# Altium PCB ESP8266-Deskop_Power.PcbDoc (part 2 of 2)
Units mm, origin at the board's own origin, x right, y up, seen from the top; angles counter-clockwise.
Board outline 44 x 44 mm, 2 copper layers (Top Layer, Bottom Layer), stack 0.57 mm thick; 64 components, 54 nets, 245 pads, 79 vias.
Unrouted connection lines stored in the file: 25.
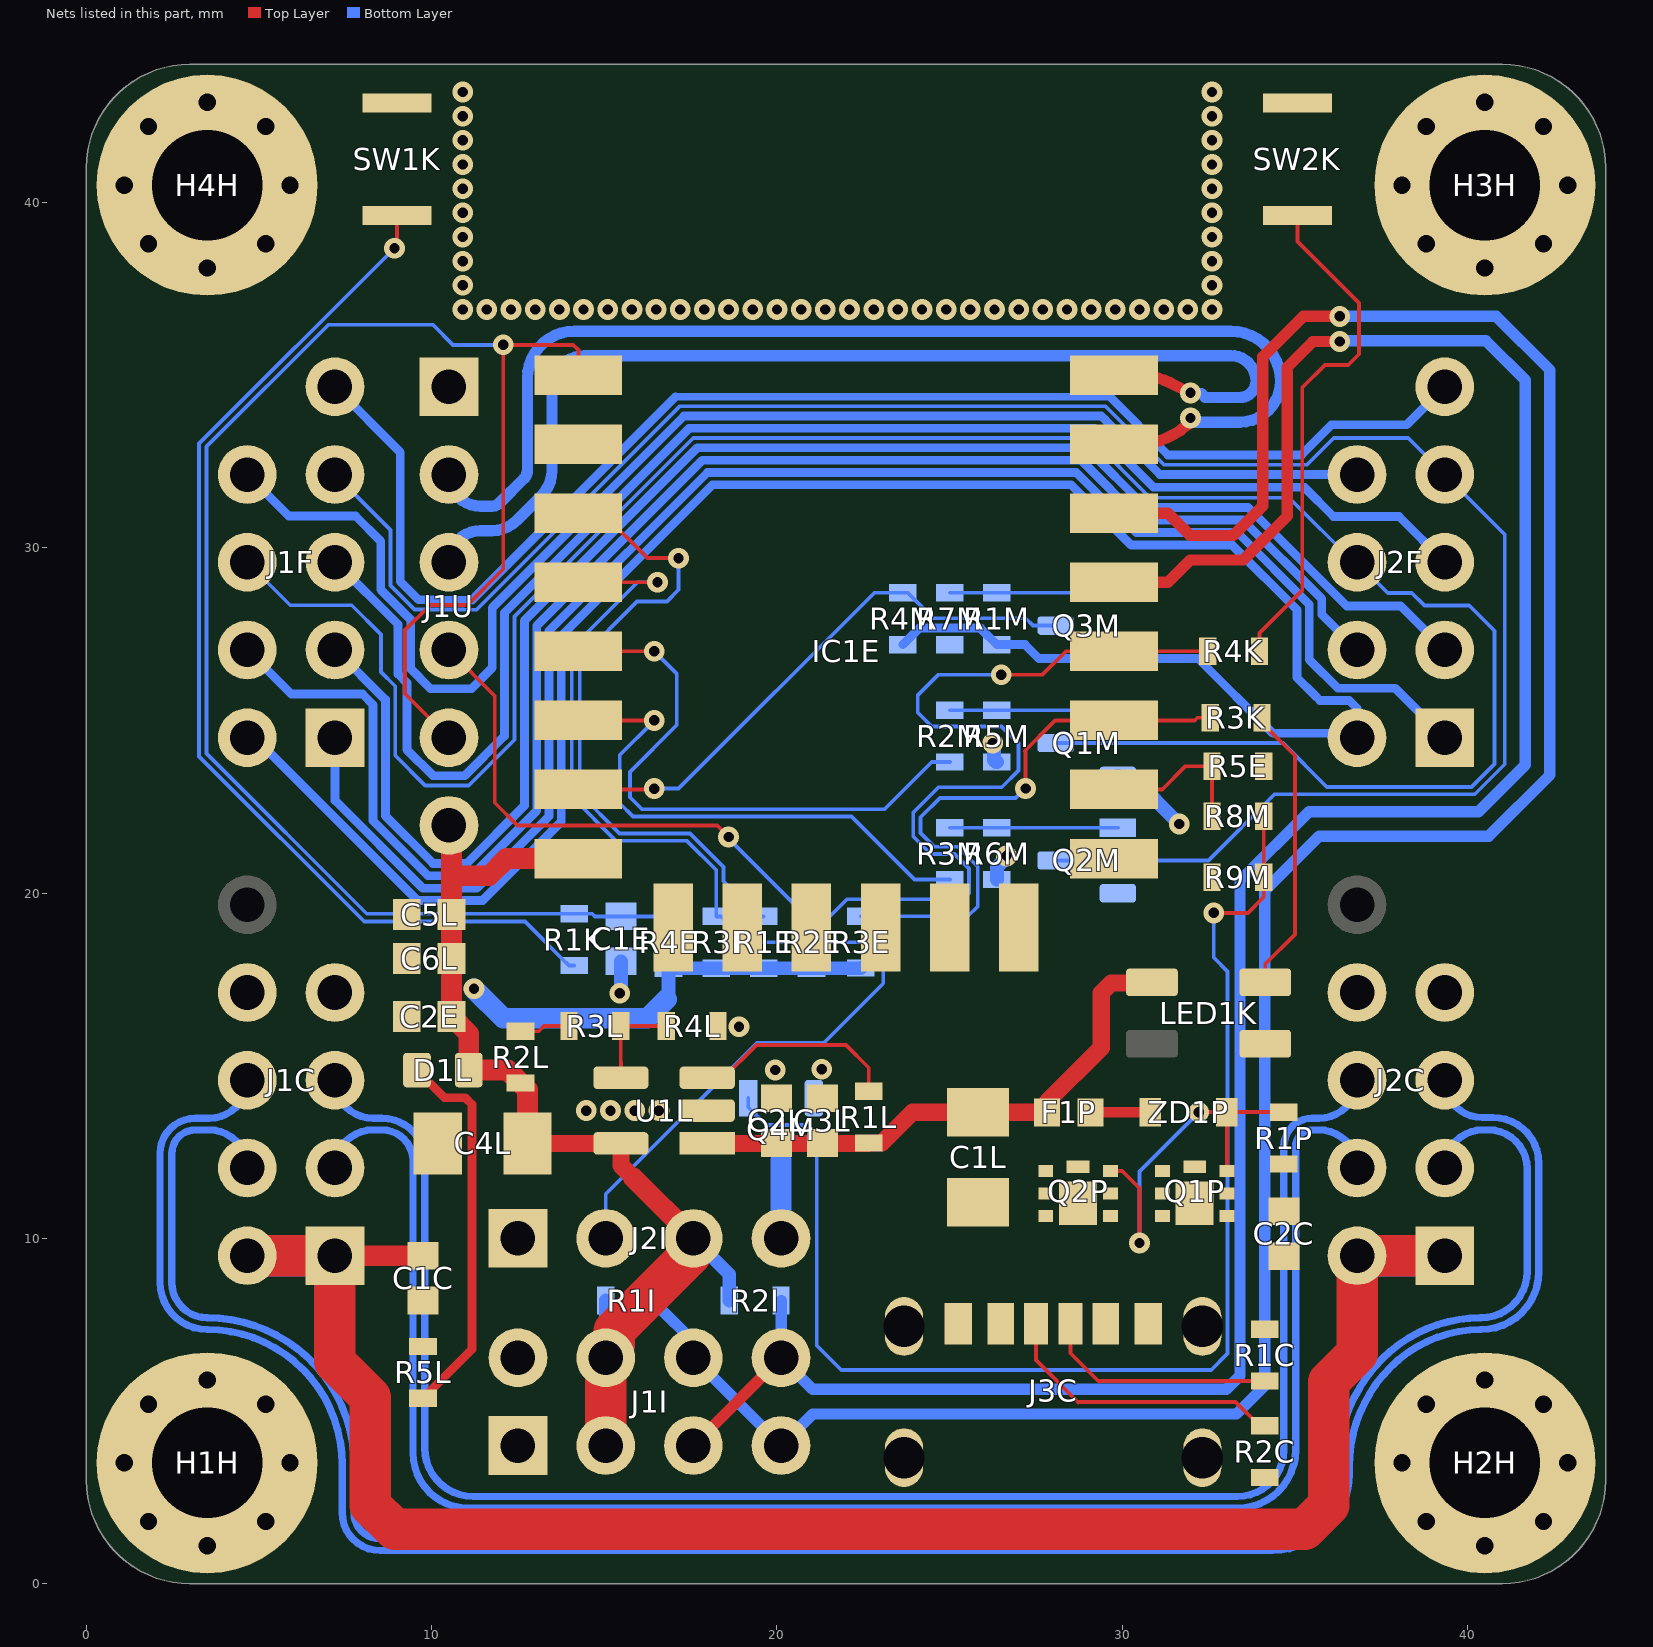
[diagram p2: the nets of this part, all layers, seen from the top]

## Part data (continued)
R1M R2M R3K R3M R8M: library part 100R, "SMD Chip Resistor, 100 Ohm, ± 1%, 100 mW, 0603 [1608 Metric], Thick Film, General Purpose", Case Code (Imperial)=0603, Case Code (Metric)=1608, MANUFACTURER=Yageo, Max Operating Temperature=155°C, Max Power Dissipation=100mW, Min Operating Temperature=-55°C, Ratings=AEC-Q200, Supplier Part Number 1=2026405, Temperature Coefficient=100ppm/°C, Tolerance=1%, Voltage Rating=50V, Case/Package=0603, CATEGORY="Chip SMD Resistors", componentlink1description=https://datasheet.ciiva.com/12576/pyu-ac-51-rohs-l-2-12576586.pdf?src-supplier=Mouser, componentlink1url=https://datasheet.ciiva.com/12576/pyu-ac-51-rohs-l-2-12576586.pdf?src-supplier=Mouser, Contact Plating=Tin,Matte, Features="Moisture Resistant,Automotive AEC-Q200", Height=0.45mm, Lead Free=5697LeadFree, Length=1.6mm, Manufacturer Part Number=AC0603FR-07100RL, Number of Terminations=2, packaging="Tape and Reel", Power Rating=100mW, Pricing 1="5000=0.0027, 50000=0.0025, 150000=0.0024, 375000=0.0023, 1000000=0.0022 (USD)", RoHS=Yes, RoHS Compliant=Yes, SERIES=AC, Stock 1=1675000, Supplier 1="Future Electronics", Termination=SMD/SMT, Weight=7.1E-05oz, Width=0.8mm
R1P: library part 100K, "SMD Chip Resistor, 100 kOhm, ± 1%, 100 mW, 0603 [1608 Metric], Thick Film, General Purpose", Case Code (Imperial)=0603, Case Code (Metric)=1608, MANUFACTURER=Yageo, Max Operating Temperature=155°C, Max Power Dissipation=100mW, Min Operating Temperature=-55°C, Ratings=AEC-Q200, Supplier Part Number 1=6029288, Temperature Coefficient=100ppm/°C, Tolerance=1%, Voltage Rating=50V, Working Voltage=75V, Case/Package=0603, CATEGORY="Chip SMD Resistors", componentlink1description=https://datasheet.ciiva.com/26862/getdatasheetpartid-715379-26862460.pdf?src-supplier=Verical, componentlink1url=https://datasheet.ciiva.com/26862/getdatasheetpartid-715379-26862460.pdf?src-supplier=Verical, componentlink2description=https://datasheet.ciiva.com/5562/pyu-ac-51-rohs-l-2-5562536.pdf?src-supplier=Mouser, componentlink2url=https://datasheet.ciiva.com/5562/pyu-ac-51-rohs-l-2-5562536.pdf?src-supplier=Mouser, Construction=Rectangular, Depth=0.8mm, Features="Moisture Resistant,Automotive AEC-Q200", Lead Free=5697LeadFree, Length=1.6mm, Manufacturer Part Number=AC0603FR-07100KL, Military Standard=Not, Moisture Sensitivity Level=1, Number of Terminations=2, packaging="Tape and Reel", Power Rating=100mW, Pricing 1="5000=0.0034, 25000=0.0018, 75000=0.0032, 125000=0.0017, 250000=0.0031, 750000=0.003, 2500000=0.0027 (USD)", RoHS=Yes, RoHS Compliant=Yes, SERIES=AC, Stock 1=3790000, Supplier 1="Future Electronics", Technology="THICK FILM", Termination=SMD/SMT
R2L: library part 1.69K, "Surface Mount Thick Film Chip Resistor 0603 Case 1.69K Ohms 1% Tolerance 100 PPM", Case Code (Imperial)=0603, Case Code (Metric)=1608, MANUFACTURER=Rohm, Max Operating Temperature=155°C, Max Power Dissipation=100mW, Min Operating Temperature=-55°C, Package Quantity=1, Temperature Coefficient=100ppm/°C, Tolerance=1%, Voltage Rating (DC)=50V, Case/Package=0603, CATEGORY="Chip SMD Resistors", componentlink1description=http://rohmfs.rohm.com/en/products/databook/datasheet/passive/resistor/chip_resistor/mcr.pdf?src-supplier=Avnet, componentlink1url=http://rohmfs.rohm.com/en/products/databook/datasheet/passive/resistor/chip_resistor/mcr.pdf?src-supplier=Avnet, componentlink2description=http://www.rohm.com/web/global/datasheet/MCR03EZPFX/mcr-e?src-supplier=Digikey, componentlink2url=http://www.rohm.com/web/global/datasheet/MCR03EZPFX/mcr-e?src-supplier=Digikey, Features="Automotive AEC-Q200", Height=0.022inch, Lead Free="Lead Free", Length=0.063inch, Manufacturer Part Number=MCR03EZPFX1691, Mounting Technology="Surface Mount", Number of Terminations=2, packaging="Cut Tape", Power Rating=100mW, Pricing 1="1=0.0232, 217=0.0145, 1380=0.0087, 5748=0.0044 (USD)", RoHS=Yes, RoHS Compliant=Yes, SERIES=MCR03, Stock 1=11347, Supplier 1=Quest, Supplier Part Number 1=MCR03EZPFX1691, Width=0.031inch
R3I: library part 4.7K, "SMD Chip Resistor, 4.7 kOhm, ± 1%, 100 mW, 0603 [1608 Metric], Thick Film, General Purpose", Case Code (Imperial)=0603, Case Code (Metric)=1608, MANUFACTURER=Yageo, Max Operating Temperature=155°C, Max Power Dissipation=100mW, Min Operating Temperature=-55°C, Ratings=AEC-Q200, Supplier Part Number 1=2029294, Temperature Coefficient=100ppm/°C, Tolerance=1%, Voltage Rating=50V, Case/Package=0603, CATEGORY="Chip SMD Resistors", componentlink1description=https://datasheet.octopart.com/AC0603FR-074K7L-Yageo-datasheet-166720450.pdf?src-supplier=Future+Electronics, componentlink1url=https://datasheet.octopart.com/AC0603FR-074K7L-Yageo-datasheet-166720450.pdf?src-supplier=Future+Electronics, componentlink2description=http://www.yageo.com/NewPortal/yageodocoutput?fileName=/pdf/R-Chip/PYu-AC_51_RoHS_L_6.pdf&src-supplier=Mouser, componentlink2url=http://www.yageo.com/NewPortal/yageodocoutput?fileName=/pdf/R-Chip/PYu-AC_51_RoHS_L_6.pdf&src-supplier=Mouser, ComponentLink3Description=http://www.yageo.com/documents/recent/PYu-AC_51_RoHS_L_2_revised.pdf?src-supplier=Future+Electronics, ComponentLink3URL=http://www.yageo.com/documents/recent/PYu-AC_51_RoHS_L_2_revised.pdf?src-supplier=Future+Electronics, ComponentLink4Description=http://www.yageo.com/NewPortal/yageodocoutput?fileName=/pdf/R-Chip/PYu-AC_51_RoHS_L_6.pdf&src-supplier=TTI, ComponentLink4URL=http://www.yageo.com/NewPortal/yageodocoutput?fileName=/pdf/R-Chip/PYu-AC_51_RoHS_L_6.pdf&src-supplier=TTI, Features="Moisture Resistant,Automotive AEC-Q200", Lead Free="Lead Free", Manufacturer Part Number=AC0603FR-074K7L, Number of Terminations=2, packaging="Tape and Reel", Power Rating=100mW, Pricing 1="5000=0.0033, 25000=0.0031, 125000=0.0029, 250000=0.0028, 750000=0.0026 (USD)", RoHS=Yes, RoHS Compliant=Yes, SERIES=AC, Stock 1=3030000, Supplier 1="Future Electronics", Termination=SMD/SMT
R3L: library part 33K, "Res Thick Film 0603 33K Ohm 1% 0.1W(1/10W) ±100ppm/C Pad SMD Automotive T/R", Case Code (Imperial)=0603, Case Code (Metric)=1608, MANUFACTURER=Panasonic, Max Operating Temperature=155°C, Max Power Dissipation=100mW, Min Operating Temperature=-55°C, Package Quantity=1, Resistance Tolerance=1%, Resistor Type="Thick Film", Supplier Part Number 1=ERJ3EKF3302V, Temperature Coefficient=100ppm/°C, Voltage Rating=75V, Case/Package=0603, CATEGORY="Chip SMD Resistors", Construction=Rectangular, Contact Plating=Tin, Depth=0.8mm, Features="Automotive AEC-Q200", Height=0.022inch, Lead Free=5697LeadFree, Length=1.6mm, Manufacturer Part Number=ERJ-3EKF3302V, Military Standard=Not, Mounting Technology="Surface Mount", Number of Terminations=2, packaging="Tape and Reel", Pins=2, Power Rating=100mW, Pricing 1="5000=0.0041, 10000=0.0039, 20000=0.0037, 40000=0.0036, 50000=0.0035 (USD)", Radiation Hardening=No, Reach SVHC Compliant=No, RoHS=Yes, RoHS Compliant=Yes, SERIES=ERJ, Stock 1=350000, Supplier 1=Onlinecomponents.com, Termination=SMD/SMT, Tolerance=1%, Voltage Rating (DC)=75V, Width=0.8mm
R4L: library part 20K, "SMD Chip Resistor, 20 kOhm, ± 1%, 100 mW, 0603 [1608 Metric], Thick Film, General Purpose", Case Code (Imperial)=0603, Case Code (Metric)=1608, MANUFACTURER=Bourns, Max Operating Temperature=155°C, Max Power Dissipation=100mW, Min Operating Temperature=-55°C, Package Quantity=1, Resistance Tolerance=1%, Resistor Type="Thick Film", Temperature Coefficient=100ppm/°C, Voltage Rating=50V, Case/Package=0603, CATEGORY="Chip SMD Resistors", componentlink1description=https://datasheet.ciiva.com/11809/0900766b80fcdb72-11809666.pdf?src-supplier=Rs, componentlink1url=https://datasheet.ciiva.com/11809/0900766b80fcdb72-11809666.pdf?src-supplier=Rs, componentlink2description=https://datasheet.ciiva.com/9121/chpreztr-9121928.pdf?src-supplier=Avnet, componentlink2url=https://datasheet.ciiva.com/9121/chpreztr-9121928.pdf?src-supplier=Avnet, Contact Plating=Tin, Depth=0.8mm, Features="Moisture Resistant", Height=0.45mm, Length=1.6mm, Manufacturer Part Number=CR0603-FX-2002ELF, Mounting Technology="Surface Mount", Number of Terminations=2, packaging="Tape and Reel", Power Rating=100mW, Pricing 1="20000=0.0014, 40000=0.0013, 80000=0.0013, 160000=0.0012 (USD)", Radiation Hardening=No, Reach SVHC Compliant=No, RoHS=Yes, RoHS Compliant=Yes, SERIES=CR0603, Stock 1=20000, Supplier 1=Onlinecomponents.com, Supplier Part Number 1=CR0603-FX-2002ELF, Technology="THICK FILM", Termination=SMD/SMT, Thickness=457um, Tolerance=1%, Voltage Rating (DC)=50V, Width=0.8mm
R5L: library part 2.49K, "Res Thick Film 0603 2.49K Ohm 1% 1/10W ±100ppm/°C Molded SMD SMD Paper T/R", Case Code (Imperial)=0603, Case Code (Metric)=1608, MANUFACTURER=Rohm, Max Operating Temperature=155°C, Max Power Dissipation=100mW, Min Operating Temperature=-55°C, Package Quantity=1, Supplier Part Number 1=53268691, Temperature Coefficient=100ppm/°C, Tolerance=1%, Voltage Rating (DC)=50V, Case/Package=0603, CATEGORY="Chip SMD Resistors", componentlink1description=https://datasheet.ciiva.com/2520/mcr-2520347.pdf?src-supplier=Digikey, componentlink1url=https://datasheet.ciiva.com/2520/mcr-2520347.pdf?src-supplier=Digikey, componentlink2description=https://datasheet.ciiva.com/2520/mcr-2520348.pdf?src-supplier=Digikey, componentlink2url=https://datasheet.ciiva.com/2520/mcr-2520348.pdf?src-supplier=Digikey, ComponentLink3Description=https://datasheet.ciiva.com/2520/mcr-2520349.pdf?src-supplier=Digikey, ComponentLink3URL=https://datasheet.ciiva.com/2520/mcr-2520349.pdf?src-supplier=Digikey, ComponentLink4Description=https://datasheet.ciiva.com/16203/mcr03ezpd-16203167.pdf?src-supplier=Future+Electronics, ComponentLink4URL=https://datasheet.ciiva.com/16203/mcr03ezpd-16203167.pdf?src-supplier=Future+Electronics, Contact Plating=Tin, Features="Automotive AEC-Q200", Height=0.022inch, Lead Free="Lead Free", Length=0.063inch, Manufacturer Part Number=MCR03EZPFX2491, Mounting Technology="Surface Mount", Number of Terminations=2, packaging="Cut Tape", Power Rating=100mW, Pricing 1="1=0.036, 10=0.031, 100=0.031, 1000=0.028 (USD)", RoHS=Yes, RoHS Compliant=Yes, SERIES=MCR03, Stock 1=683, Supplier 1="One Stop Electro", Width=0.031inch
SW1K SW2K: "3.0MM X 2.0MM / 3.3N / 0.15MM ST", Contact Rating @ Voltage="0.02A @ 15VDC", MANUFACTURER="Panasonic Electronic Components", Operating Force=330gf, Operating Temperature="-40°C ~ 85°C", Supplier Part Number 1=P123440CT-ND, Actuator Height off PCB, Vertical=0.60mm, Actuator Orientation="Top Actuated", Actuator Type=Standard, Circuit=SPST-NO, componentlink1description=Datasheet, componentlink1url=https://industrial.panasonic.com/ac/cdn/e/control/switch/light-touch/catalog/sw_lt_eng_3020s.pdf, componentlink2description="DigiKey Link", componentlink2url=https://www.digikey.com/en/products/detail/panasonic-electronic-components/EVP-AWED4A/8568275, Illumination=Non-Illuminated, Ingress Protection="IP67 - Dust Tight, Waterproof", lastupdated="03-06-2024 20:19:31", Lifecycle Status=Active, Minimum Order=1, Mounting Type="Surface Mount", Outline="3.00mm x 2.00mm", packaging=TapeAndReel, Part Number=EVP-AWED4A, Part Status=Active, price=0.16, SERIES=EVPAW, Supplier 1=DigiKey, Switch Function=Off-Mom, Termination Style="SMD (SMT) Tab"
U1L: "LDO U-Reg Adj 0, 3A SOT23-5", MANUFACTURER="SG Micro", Supplier Part Number 1=SGM2019-ADJYN5GTR-112944978, CATEGORY=LDO, Manufacturer Part Number=SGM2019-ADJYN5G/TR, RoHS=No, Stock 1=6915, Supplier 1=Sourcengine
ZD1P: "MM3Z12VST1G Zener Diode, 12V 2% 200 mW SMT 2-Pin SOD-323", Case/Package=SOD-323-2, Forward Voltage=900mV, MANUFACTURER="ON Semiconductor", Max Operating Temperature=150°C, Max Power Dissipation=300mW, Max Reverse Current=100nA, Min Operating Temperature=-65°C, Package Quantity=3000, Power Dissipation=200mW, Test Current=5mA, Tolerance=2%, Voltage Rating (DC)=12V, Zener Current=10mA, CATEGORY="Zener Diodes", componentlink1description=https://datasheet.ciiva.com/30478/0900766b8127c8bd-30478408.pdf?src-supplier=Rs, componentlink1url=https://datasheet.ciiva.com/30478/0900766b8127c8bd-30478408.pdf?src-supplier=Rs, componentlink2description=https://datasheet.ciiva.com/16292/mm3z12vst1g-16292931.pdf?src-supplier=Future+Electronics, componentlink2url=https://datasheet.ciiva.com/16292/mm3z12vst1g-16292931.pdf?src-supplier=Future+Electronics, ComponentLink3Description=https://datasheet.ciiva.com/22626/1878251-22626885.pdf?src-supplier=Element14, ComponentLink3URL=https://datasheet.ciiva.com/22626/1878251-22626885.pdf?src-supplier=Element14, ComponentLink4Description=https://datasheet.ciiva.com/894/mm3z2v4st1-d-894650.pdf?src-supplier=Digikey, ComponentLink4URL=https://datasheet.ciiva.com/894/mm3z2v4st1-d-894650.pdf?src-supplier=Digikey, ComponentLink5Description=https://datasheet.ciiva.com/894/mm3z2v4st1-d-894651.pdf?src-supplier=Digikey, ComponentLink5URL=https://datasheet.ciiva.com/894/mm3z2v4st1-d-894651.pdf?src-supplier=Digikey, ComponentLink6Description=https://datasheet.ciiva.com/894/mm3z2v4st1-d-894649.pdf?src-supplier=Digikey, ComponentLink6URL=https://datasheet.ciiva.com/894/mm3z2v4st1-d-894649.pdf?src-supplier=Digikey, Height=1mm, Impedance=25R, Lead Free="Lead Free", Length=1.8mm, Manufacturer Part Number=MM3Z12VST1G, Material=Plastic, Max Reverse Leakage Current=100nA, packaging="Tape and Reel", Pins=2, Power Rating=200mW, Pricing 1="3000=0.0152, 6000=0.0145, 9000=0.0143, 27000=0.0137, 51000=0.0133, 102000=0.0128, 252000=0.0125, 501000=0.0123 (USD)", Radiation Hardening=No, Reach SVHC Compliant=No, RoHS=Yes, RoHS Compliant=Yes, SERIES=-, Stock 1=60000, Supplier 1=Onlinecomponents.com, Supplier Part Number 1=MM3Z12VST1G, Voltage Tolerance=2%, Width=1.35mm, Working Voltage=12V, Zener Voltage=12V

## Via types
v1: diameter 0.6, hole 0.3, Top Layer to Bottom Layer, tented both sides, 79 vias

## Nets (pads, with @x,y where several pads share a name; then routed paths per layer and width w, separated by ;. In a path a pad name is that pad's centre, name@x,y a point inside that pad or via, vN(x,y) a via of type N, cw(c..) or ccw(c..) an arc to the next point about the centre after c; other vN are vias at no path point)
+3VALW: C2E.1 C4L.1 C5L.1 C6L.1 D1L.2 IC1E.8 J1I.3 J1I.4 J1U.6 J2I.3 R1E.1 R1I.1 R2E.1 R2I.1 R2L.1 R3E.1 R3I.1 R4E.1 U1L.5 | length 44.6
  Top Layer w0.5: C4L.1@12.775,12.75 U1L.5@15.482,12.75 15.482,12.114 15.842,11.754
  Top Layer w0.6: J1U.6@10.699,21.96 J1U.6@10.5,21.96 10.575,21.885 10.575,20.5 ; C4L.1@12.775,12.75 12.775,14.3 R2L.1@12.575,14.5 12.2,14.875 D1L.2@11.075,14.875 11.075,15.925 C2E.1@10.575,16.425 C6L.1@10.575,18.1 C5L.1@10.575,19.375 10.575,20.5 ; IC1E.8@14.25,21 12.17,21 11.67,20.5 10.575,20.5 ; 15.842,11.754 J2I.3@17.58,10.016
  Top Layer w1.2: J1I.3@15.04,4 15.04,6.675 15.29,6.925 15.29,7.325 17.484,9.519 17.484,9.769 J2I.3@17.58,9.769
  Bottom Layer w0.4: J1I.4@15.04,6.54 R1I.1@15.04,8.2 ; 16.8,16.925 16.86,16.985 R4E.1@16.86,17.825 R3I.1@18.24,17.825 R1E.1@19.621,17.825 R2E.1@21.001,17.825 22.426,17.825 R3E.1@22.428,17.827 ; J2I.3@17.58,10 18.62,8.96 R2I.1@18.62,8.2
  Bottom Layer w0.6: v1(11.225,17.225) 12.077,16.373 16.248,16.373 16.8,16.925
+5V_VBUS: J3C.A9 J3C.B9 Q2P.1-2-5-6-7
+5V_VSB: C1C.1 C2C.1 J1C.1 J1C.2 J2C.1 J2C.2 Q1P.1-2-5-6-7 | length 56.3
  Top Layer w0.6: J1C.1@7.2,9.5 C1C.1@9.75,9.5
  Top Layer w1.2: J1C.2@4.66,9.5 J1C.1@7.2,9.5 7.2,6.424 8.225,5.399 8.225,2.275 8.928,1.572 35.279,1.572 35.982,2.275 35.982,5.854 36.8,6.671 J2C.2@36.8,9.5 J2C.1@39.34,9.5
  Bottom Layer w1.2: J1C.2@4.66,9.5 J1C.1@7.2,9.5 ; J2C.2@36.8,9.5 J2C.1@39.34,9.5
+5VALW: C1L.1 C2L.1 C3L.1 F1P.2 LED1K.1 R1L.1 U1L.1 | length 15.9
  Top Layer w0.5: U1L.1@17.982,12.75 22.645,12.75 R1L.1@22.657,12.761 23.036,12.761 23.925,13.65 C1L.1@25.825,13.65 F1P.2@27.823,13.65 27.823,13.952 29.392,15.521 29.392,17.104 29.684,17.397 LED1K.1@30.842,17.397
+5VALW#: F1P.1 Q1P.4-8 Q2P.4-8 ZD1P.1 | length 1.7
  Top Layer w0.3: F1P.1@29.077,13.65 30.801,13.65 ZD1P.1@30.807,13.656
ADC: IC1E.2
CC1: J3C.A5 R2C.1 | length 8.5
  Top Layer w0.11: J3C.A5@27.5,7.53 27.5,6.475 28.725,5.25 28.736,5.261 33.283,5.261 33.972,4.572 R2C.1@34.122,4.572
CC2: J3C.B5 R1C.1 | length 6.8
  Top Layer w0.11: J3C.B5@28.5,7.53 28.5,6.675 29.303,5.872 R1C.1@34.122,5.872
EN: IC1E.3 R1E.2 | length 19
  Top Layer w0.11: IC1E.3@14.25,31 14.948,31 16.249,29.7 v1(17.15,29.7)
  Bottom Layer w0.11: v1(17.15,29.7) 17.15,28.783 16.813,28.446 15.946,28.446 14.288,26.788 14.288,22.874 15.438,21.724 17.483,21.724 18.452,20.755 18.452,20.344 19.471,19.325 R1E.2@19.621,19.325
EN/RST/nRST: C1E.1 IC1E.1 J1U.5 R1K.1 R4E.2 | length 51.1
  Top Layer w0.11: J1U.5@10.5,24.5 9.23,25.77 9.23,27.615 9.961,28.345 11.035,28.345 12.075,29.385 v1@12.075,35.778 ; v1(12.075,35.875) 14.1,35.875 14.25,35.725 IC1E.1@14.25,35
  Bottom Layer w0.11: v1(12.075,35.875) 10.621,35.875 10.036,36.46 7.01,36.46 3.478,32.928 3.478,24.044 8.122,19.4 R1K.1@14.125,19.4 14.652,19.4 14.727,19.325 C1E.1@15.48,19.325 R4E.2@16.86,19.325
EN_LDO: R1L.2 U1L.3 | length 6
  Top Layer w0.11: U1L.3@17.982,14.65 18.457,14.65 19.407,15.6 22,15.6 22.657,14.943 R1L.2@22.657,14.261
ESP_I2C_0_N: IC1E.19 J1I.5 J1I.8 R2I.2 | length 72
  Top Layer w0.329: J1I.5@17.58,4 J1I.8@20.12,6.54 ; IC1E.19@29.761,29 31.323,29 31.967,29.645 33.507,29.645 34.783,30.922 34.783,35.236 35.521,35.973 v1(36.3,35.973)
  Bottom Layer w0.329: R2I.2@20.12,8.2 J1I.8@20.12,6.54 21.035,5.625 25.671,5.625 33.015,5.625 33.412,6.022 33.412,20.362 35.407,22.357 40.316,22.357 41.675,23.716 41.675,34.85 40.535,35.99 38.504,35.99 v1@36.317,35.99
ESP_I2C_0_P: IC1E.20 J1I.6 J1I.7 R1I.2 | length 74.8
  Top Layer w0.329: IC1E.20@29.761,31 31.323,31 31.968,30.355 33.212,30.355 34.073,31.216 34.073,35.53 35.243,36.7 v1(36.3,36.7)
  Bottom Layer w0.329: R1I.2@16.54,8.2 16.54,8.05 17.58,7.01 J1I.6@17.58,6.54 J1I.7@20.12,4 21.035,4.915 25.169,4.915 33.309,4.915 34.122,5.728 34.122,20.067 35.701,21.647 40.61,21.647 42.385,23.422 42.385,35.144 40.83,36.7 38.21,36.7 v1(36.3,36.7)
ESP_UART_0_N: IC1E.21 J1U.2 | length 35.2
  Top Layer w0.329: IC1E.21@29.761,33 30.866,33.046 ccw(c30.423,35.173) 31.866,33.549 ccw(c31.648,33.795) v1(31.975,33.758)
  Bottom Layer w0.329: J1U.2@10.5,32.12 ccw(c11.415,32.12) 11.415,31.205 11.74,31.205 ccw(c11.738,31.535) 11.97,31.301 12.678,32.007 ccw(c12.446,32.241) 12.775,32.241 12.775,33.925 12.775,34.91 cw(c14.14,34.91) 14.14,36.275 33.135,36.275 cw(c33.135,34.825) 34.585,34.825 cw(c33.4,34.825) 33.4,33.64 32.166,33.64 32.1,33.706 32.027,33.706 v1(31.975,33.758)
ESP_UART_0_P: IC1E.22 J1U.3 | length 32.7
  Top Layer w0.329: IC1E.22@29.761,35 30.866,34.954 cw(c30.423,32.827) 31.387,34.774 v1(31.975,34.485)
  Bottom Layer w0.329: J1U.3@10.5,29.58 cw(c11.415,29.58) 11.415,30.495 11.74,30.495 ccw(c11.74,31.205) 11.749,30.495 ccw(c11.738,31.535) 12.472,30.798 13.18,31.504 ccw(c12.446,32.241) 13.485,32.237 ccw(c12.775,32.241) 13.485,32.241 13.485,34.616 cw(c14.434,34.616) 14.434,35.565 33.135,35.565 cw(c33.135,34.825) 33.875,34.825 cw(c33.4,34.825) 33.4,34.35 32.407,34.35 32.289,34.468 31.992,34.468 v1(31.975,34.485)
FB_1: R3L.2 R4L.1 U1L.4 | length 2.8
  Top Layer w0.11: U1L.4@15.482,14.65 15.482,15.102 15.475,15.109 R3L.2@15.475,16.15 R4L.1@16.793,16.15
FB_2: R2L.2 R3L.1 | length 1.5
  Top Layer w0.11: R2L.2@12.575,16 13.102,16 13.252,16.15 R3L.1@13.975,16.15
FP_USB_1_N: J1C.3 J2C.4 | length 50.8
  Bottom Layer w0.213: J1C.3@7.2,12.04 cw(c8.3,12.04) 8.3,13.14 8.56,13.14 cw(c8.56,12.238) 9.462,12.238 9.462,3.783 ccw(c11.06,3.783) 11.06,2.185 33.333,2.185 ccw(c33.333,3.874) 35.022,3.874 35.022,12.662 cw(c35.5,12.662) 35.5,13.14 35.7,13.14 cw(c35.7,12.04) J2C.4@36.8,12.04
FP_USB_1_P: J1C.5 J2C.6 | length 50.7
  Bottom Layer w0.213: J1C.5@7.2,14.58 ccw(c8.3,14.58) 8.3,13.48 8.56,13.48 cw(c8.56,12.238) 9.802,12.238 9.802,3.924 ccw(c11.201,3.924) 11.201,2.525 33.333,2.525 ccw(c33.333,3.874) 34.682,3.874 34.682,12.662 cw(c35.5,12.662) 35.5,13.48 35.7,13.48 ccw(c35.7,14.58) J2C.6@36.8,14.58
FP_USB_2_N: J1C.4 J2C.3 | length 62.2
  Bottom Layer w0.213: J1C.4@4.66,12.04 ccw(c3.56,12.04) 3.56,13.14 3.16,13.14 ccw(c3.16,12.455) 2.475,12.455 2.475,8.725 ccw(c3.5,8.725) 3.5,7.7 cw(c3.5,3.45) 7.75,3.45 7.75,2.055 ccw(c8.505,2.055) 8.505,1.3 34.341,1.3 ccw(c34.341,3.194) 36.235,3.194 36.235,3.385 cw(c40.659,3.387) 37.529,6.514 cw(c40.388,3.66) 40.383,7.699 40.386,7.699 ccw(c40.388,7.912) 40.388,7.699 ccw(c40.387,9.037) 41.725,9.035 41.725,9.037 41.725,12.026 ccw(c40.611,12.026) 40.611,13.14 40.44,13.14 ccw(c40.44,12.04) J2C.3@39.34,12.04
FP_USB_2_P: J1C.6 J2C.5 | length 64.4
  Bottom Layer w0.213: J1C.6@4.66,14.58 cw(c3.56,14.58) 3.56,13.48 3.16,13.48 ccw(c3.16,12.455) 2.135,12.455 2.135,8.725 ccw(c3.5,8.725) 3.5,7.36 cw(c3.5,3.45) 7.41,3.45 7.41,2.055 ccw(c8.505,2.055) 8.505,0.96 34.341,0.96 ccw(c34.341,3.194) 36.575,3.194 36.575,3.385 ccw(c36.235,3.385) 36.575,3.387 cw(c40.659,3.387) 37.77,6.273 cw(c40.387,3.66) 40.383,7.359 40.388,7.359 ccw(c40.387,9.037) 42.065,9.034 42.065,9.036 ; J2C.5@39.34,14.58 ccw(c40.42,14.58) 40.42,13.5 40.732,13.5 cw(c40.732,12.167) 42.065,12.167 42.065,9.037
GATE_PMOS: Q1P.3 Q2P.3 R1P.1 ZD1P.2 | length 11.3
  Top Layer w0.11: Q2P.3@29.657,11.95 29.999,11.95 30.498,11.451 v1(30.498,9.865) ; v1(32.219,13.656) ZD1P.2@33.032,13.656 ; Q1P.3@33.032,11.95 ZD1P.2@33.032,13.656 ; R1P.1@34.682,13.656 ZD1P.2@33.032,13.656
  Bottom Layer w0.11: v1(30.498,9.865) 30.498,11.935 v1(32.219,13.656)
GND: C1C.2 C1E.2 C1L.2 C2C.2 C2E.2 C2L.2 C3L.2 C4L.2 C5L.2 C6L.2 H1H.1 H2H.1 H3H.1 H4H.1 IC1E.15 J1C.7 J1C.8 J1I.1 J1I.2 J1U.1 J2C.7 J2C.8 J2I.1 J3C.A12 J3C.B12 J3C.MH1 J3C.MH2 J3C.MH3 J3C.MH4 LED1K.3 Q1M.2 Q2M.2 Q4M.2 R1C.2 R1P.2 R2C.2 R4L.2 R5E.2 R5L.2 R5M.2 R6M.2 R7M.1 R9M.2 SW1K.1 SW2K.2 U1L.2 | length 4.7
  Top Layer w0.4: v1@18.875,16.15 v1(18.9,16.125)
  Bottom Layer w0.4: v1(15.45,17.1) 15.48,17.13 C1E.2@15.48,18.025 ; v1(26.251,24.345) 26.29,24.307 26.29,23.844 26.34,23.794 R5M.2@26.371,23.794 ; R6M.2@26.371,20.394 26.371,20.749 26.646,21.024 v1(26.646,21.076) ; Q1M.2@29.873,23.394 29.94,23.328 30.322,23.328 v1(31.65,22)
  other v1: 14.482,13.7 15.182,13.7 15.882,13.7 16.582,13.7 19.95,14.875 21.301,14.901 10.9,36.9 11.6,36.9 12.3,36.9 13,36.9 13.7,36.9 14.4,36.9 15.1,36.9 15.8,36.9 16.5,36.9 17.2,36.9 17.9,36.9 18.6,36.9 19.3,36.9 20,36.9 20.7,36.9 21.4,36.9 22.1,36.9 22.8,36.9 23.5,36.9 24.2,36.9 24.9,36.9 25.6,36.9 26.3,36.9 27,36.9 27.7,36.9 28.4,36.9 29.1,36.9 29.8,36.9 30.5,36.9 31.2,36.9 31.9,36.9 32.6,36.9 10.9,37.6 32.6,37.6 10.9,38.3 32.6,38.3 10.9,39 32.6,39 10.9,39.7 32.6,39.7 10.9,40.4 32.6,40.4 10.9,41.1 32.6,41.1 10.9,41.8 32.6,41.8 10.9,42.5 32.6,42.5 10.9,43.2 32.6,43.2
GPIO2(D4): IC1E.17 R3E.2 R3K.2 | length 17.4
  Top Layer w0.11: v1(27.201,23.026) 27.201,24.092 27.175,24.118 28.057,25 IC1E.17@29.761,25 32.098,25 32.173,25.075 R3K.2@32.55,25.075
  Bottom Layer w0.11: R3E.2@22.428,19.327 25.527,19.327 25.814,19.614 25.814,20.76 25.234,21.34 24.558,21.34 24.16,21.739 24.16,22.196 24.721,22.756 26.905,22.756 27.175,23.026 v1(27.201,23.026)
GPIO6: IC1E.14
GPIO7: IC1E.10
GPIO8: IC1E.13
GPIO9: IC1E.11
GPIO10: IC1E.12
GPIO11: IC1E.9
GPIO12(D6): IC1E.6 R3M.2 | length 15.5
  Top Layer w0.11: IC1E.6@14.25,25 v1(16.451,25)
  Bottom Layer w0.11: 16.004,22.217 15.835,22.217 15.45,22.601 15.45,23.999 v1(16.451,25) ; 16.004,22.216 22.159,22.216 23.981,20.394 24.481,20.394 R3M.2@25.008,20.394
GPIO13(D7): IC1E.7 Q3M.3 R4M.1 | length 16.6
  Top Layer w0.11: IC1E.7@14.25,23 16.425,23 v1(16.45,23.025)
  Bottom Layer w0.11: v1(16.45,23.025) 17.15,23.025 22.819,28.694 R4M.1@23.646,28.694 23.796,28.694 24.533,27.957 27.204,27.957 27.417,27.744 Q3M.3@28.072,27.744
GPIO14(D5): IC1E.5 R2M.2 | length 17.2
  Top Layer w0.11: IC1E.5@14.25,27 v1(16.45,27)
  Bottom Layer w0.11: v1(16.45,27) 17.096,26.354 17.096,24.861 15.743,23.509 15.743,22.777 16.092,22.428 23.115,22.428 24.481,23.794 R2M.2@25.008,23.794
GPIO15(D8): IC1E.16 R5E.1 R8M.2 | length 4.6
  Top Layer w0.11: IC1E.16@29.761,23 31.158,23 31.833,23.675 R5E.1@32.6,23.675 R8M.2@32.6,22.225
GPIO16(D0): IC1E.4 J2I.2 R3I.2 | length 34.6
  Top Layer w0.11: IC1E.4@14.25,29 v1(16.54,29)
  Bottom Layer w0.11: J2I.2@15.04,9.75 J2I.2@15.04,10 15.04,11.28 19.42,15.661 21.355,15.661 23.08,17.385 23.08,18.369 22.872,18.577 19.138,18.577 18.39,19.325 R3I.2@18.24,19.325 18.24,20.667 17.395,21.512 15.343,21.512 14.06,22.795 14.06,27.094 15.966,29 v1(16.54,29)
HDD_LED+: J1F.1 J2F.1 | length 47.3
  Bottom Layer w0.254: J1F.1@7.2,24.5 7.2,22.684 9.747,20.138 11.308,20.138 13.399,22.229 13.399,27.593 17.987,32.181 28.665,32.181 30.405,30.441 33.336,30.441 35.418,28.358 35.418,26.759 36.246,25.931 37.909,25.931 J2F.1@39.34,24.5
HDD_LED-: J1F.3 J2F.3 | length 47.2
  Bottom Layer w0.254: J1F.3@7.2,27.04 7.223,27.04 8.66,25.603 8.66,22.239 10.043,20.856 11.012,20.856 12.687,22.531 12.687,27.888 17.692,32.893 28.96,32.893 30.688,31.165 33.648,31.165 36.501,28.312 38.068,28.312 J2F.3@39.34,27.04
IO0/GPIO0: IC1E.18 J1U.4 R2E.2 R4K.1 | length 40.8
  Top Layer w0.11: J1U.4@10.5,27.04 11.83,25.71 11.83,22.614 12.489,21.955 18.27,21.955 v1(18.6,21.625) ; v1(26.5,26.325) 27.689,26.325 28.364,27 IC1E.18@29.761,27 R4K.1@32.475,27
  Bottom Layer w0.11: v1(18.6,21.625) 18.6,21.576 20.656,19.52 20.851,19.325 R2E.2@21.001,19.325 21.528,19.325 22.026,19.823 25.385,19.823 25.565,20.003 25.565,20.709 25.146,21.128 24.453,21.128 23.947,21.635 23.947,22.33 24.679,23.062 26.511,23.062 26.998,23.549 26.998,24.336 26.507,24.827 24.485,24.827 24.075,25.237 24.075,25.725 24.675,26.325 v1(26.5,26.325)
NC: J1F.9 J2F.9 | length 40.8
  Bottom Layer w0.227: 10.025,28.494 10.044,28.494 10.048,28.489 11.179,28.489 ; 17.061,34.371 29.625,34.371 29.631,34.365 29.65,34.365
  Bottom Layer w0.254: J1F.9@7.2,34.66 9.092,32.768 9.092,29.021 9.62,28.494 10.025,28.494 ; 11.179,28.489 17.061,34.371 ; 29.65,34.365 31.327,32.688 35.188,32.688 36.062,33.562 38.242,33.562 J2F.9@39.34,34.66
NetR1K_2: R1K.2 SW1K.2 | length 31.4
  Top Layer w0.11: v1(8.925,38.675) 9,38.75 SW1K.2@9,39.625
  Bottom Layer w0.11: v1(8.925,38.675) 3.266,33.016 3.266,23.957 8.048,19.175 12.7,19.175 13.78,18.095 13.975,17.9 R1K.2@14.125,17.9
NetR4K_2: R4K.2 SW2K.1 | length 14.9
  Top Layer w0.11: R4K.2@33.975,27 33.975,27.527 35.21,28.762 35.21,34.635 35.872,35.297 36.547,35.297 36.854,35.604 36.854,37.088 35.075,38.867 SW2K.1@35.075,39.625
Power_LED: D1L.1 R5L.1 | length 11.1
  Top Layer w0.254: D1L.1@9.575,14.875 10.374,14.076 10.969,14.076 11.17,13.875 11.17,6.79 R5L.1@9.75,5.37
PWR_GATE: Q3M.1 R1M.1 R7M.2 | length 4.9
  Bottom Layer w0.11: R7M.2@25.008,28.694 R1M.1@26.371,28.694 Q3M.1@29.873,28.694
PWR_LED+: J1F.2 J2F.2 Q3M.2 R1M.2 R4M.2 | length 61.6
  Bottom Layer w0.254: J1F.2@4.66,24.5 4.881,24.5 9.599,19.782 11.47,19.782 13.755,22.067 13.755,27.445 18.135,31.825 28.517,31.825 30.265,30.077 33.189,30.077 35.062,28.204 35.062,26.238 35.575,25.725 35.725,25.575 36.575,25.575 36.8,25.35 J2F.2@36.8,24.5 36.672,24.628 34.361,24.628 32.195,26.794 Q3M.2@29.873,26.794 27.586,26.794 27.186,27.194 R1M.2@26.371,27.194 25.892,27.673 24.125,27.673 R4M.2@23.646,27.194
PWR_LED-: J1F.4 J2F.4 | length 47.5
  Bottom Layer w0.254: J1F.4@4.66,27.04 5.937,25.763 7.996,25.763 8.304,25.455 8.304,22.091 9.895,20.5 11.159,20.5 13.043,22.383 13.043,27.74 17.84,32.537 28.812,32.537 30.545,30.805 33.49,30.805 35.774,28.521 35.774,28.066 J2F.4@36.8,27.04
PWR_SW+: J1F.6 J2F.6 Q1M.3 | length 66.5
  Bottom Layer w0.11: J1F.6@4.66,29.58 5.906,28.334 7.687,28.334 8.529,27.491 8.529,26.405 8.944,25.991 8.944,23.981 9.812,23.112 11.075,23.112 12.403,24.44 12.403,28.005 17.575,33.177 29.077,33.177 30.804,31.45 34.834,31.45 36.704,29.58 J2F.6@36.8,29.58 37.688,28.692 38.383,28.692 38.749,28.326 40.049,28.326 40.78,27.595 40.78,23.736 40.119,23.075 35.925,23.075 34.656,24.344 Q1M.3@28.072,24.344
PWR_SW-: J1F.8 J2F.8 | length 41.4
  Bottom Layer w0.254: J1F.8@4.66,32.12 5.861,30.919 7.796,30.919 8.525,30.191 8.525,28.786 9.396,27.914 9.396,26.492 9.968,25.92 11.154,25.92 11.756,26.522 11.756,28.263 17.31,33.817 29.395,33.817 29.501,33.712 31.092,32.12 J2F.8@36.8,32.12
PWR_SW_GATE: Q1M.1 R2M.1 R5M.1 | length 4.9
  Bottom Layer w0.11: R2M.1@25.008,25.294 R5M.1@26.371,25.294 Q1M.1@29.873,25.294
Relay_EXT_GND: J2I.4 Q4M.3 | length 2.5
  Bottom Layer w0.6: J2I.4@20.12,9.75 J2I.4@20.12,10 Q4M.3@20.12,12.261
RELAY_GATE: Q4M.1 R8M.1 R9M.1 | length 37.9
  Top Layer w0.11: v1(32.65,19.425) 33.64,19.425 34.1,19.885 R9M.1@34.1,20.457 R8M.1@34.1,22.225
  Bottom Layer w0.11: Q4M.1@19.17,14.062 19.17,13.8 19.69,13.279 20.742,13.279 21.152,12.87 21.152,6.897 21.863,6.186 32.576,6.186 33.052,6.662 33.052,17.729 32.65,18.13 v1(32.65,19.425)
RST_SW+: J1F.7 J2F.7 Q2M.3 | length 61.9
  Bottom Layer w0.11: J1F.7@7.2,32.12 8.809,30.511 8.809,28.903 9.502,28.21 10.925,28.21 10.93,28.205 11.297,28.205 17.192,34.101 29.46,34.101 29.463,34.098 29.516,34.098 31.21,32.404 35.354,32.404 36.126,33.176 38.284,33.176 J2F.7@39.34,32.12 41.075,30.385 41.075,23.732 40.207,22.863 34.413,22.863 32.494,20.944 Q2M.3@28.072,20.944
RST_SW-: J1F.5 J2F.5 | length 44.5
  Bottom Layer w0.254: J1F.5@7.2,29.58 7.227,29.58 9.03,27.777 9.03,26.344 9.284,26.089 9.284,24.155 10.043,23.396 10.957,23.396 12.112,24.551 12.112,28.116 17.457,33.461 29.195,33.461 30.906,31.75 35.275,31.75 36.12,30.905 38.015,30.905 J2F.5@39.34,29.58
RST_SW_GATE: Q2M.1 R3M.1 R6M.1 | length 4.9
  Bottom Layer w0.11: R3M.1@25.008,21.894 R6M.1@26.371,21.894 Q2M.1@29.873,21.894
WS2812B_DATA: LED1K.4 R3K.1 | length 8.4
  Top Layer w0.11: R3K.1@34.05,25.075 34.05,24.925 35,23.975 35,18.802 34.14,17.942 LED1K.4@34.14,17.415
pads on no net: J1C.10 J2C.10 LED1K.2

## Polygon pours and split planes (outlines as drawn)
GND on Bottom Layer "BOT_GND" (solid, pour order 50): 0,3 0,41 cw(c3,41) 3,44 41,44 cw(c41,41) 44,41 44,3 cw(c41,3) 41,0 3,0 cw(c3,3)
+3VALW on Top Layer "TOP_+3VALW_1" (solid, pour order 59): 12.659,15.25 13.109,14.8 13.109,14.187 14.142,13.153 16.297,13.153 16.297,12.643 18.684,10.256 18.684,9.55 16.012,6.878 16.012,2.825 14.092,2.825 14.092,7.387 16.488,9.784 16.488,10.113 15.581,11.02 14.856,11.745 11.999,11.745 11.999,13.726 11.461,14.264 10.712,14.264 10.499,14.477 10.499,15.226 10.017,15.708 10.017,20.979 9.57,21.426 9.57,22.843 11.461,22.843 11.461,22.229 12.049,21.641 12.3,21.614 15.626,21.614 15.626,20.38 12.25,20.38 11.64,19.783 11.64,15.796 12.186,15.25
+5V_VSB on Top Layer "TOP_+5VSB" (solid, pour order 51): 31.987,8.988 32.537,8.988 33,8.501 40.242,8.501 40.242,10.378 36.185,10.378 35.817,10.004 34.232,10.004 33.761,10.475 33.747,10.475 33.247,10.975 33.247,11.475 33.082,11.64 31.112,11.64 30.947,11.475 30.947,10.028 31.525,9.45
+5VALW# on Top Layer "TOP_+5VALW#" (solid, pour order 56): 31.119,14.071 31.25,13.94 31.25,13.484 32.495,12.239 32.495,11.9 30.58,11.9 30.088,12.392 29.613,12.392 29.12,11.9 27.572,11.9 27.572,12.115 28.55,13.093 28.55,13.958 28.664,14.071
+5V_VBUS on Top Layer "TOP_+5VBUS" (solid, pour order 55): 26.1,9.3 27.572,10.772 27.572,11.475 27.737,11.64 29.872,11.64 29.872,10.475 29.9,10.447 29.9,6.93 29.14,6.93 29.14,8.4 26.86,8.4 26.86,6.93 26.1,6.93
+5VALW on Top Layer "TOP_+5VALW" (solid, pour order 58): 27.928,12.899 28.278,13.231 28.278,14.45 24.141,14.45 22.852,13.161 18.868,13.161 17.122,13.161 17.122,12.361 23.596,12.361 24.134,12.899
GND on Top Layer "TOP_GND" (solid, pour order 62): 0,3 0,41 cw(c3,41) 3,44 41,44 cw(c41,41) 44,41 44,3 cw(c41,3) 41,0 3,0 cw(c3,3)

## Keep-outs
Keep-Out Layer:
  rectangle: 11.486,37.5 32.025,44

## Silkscreen, mask and mechanical layers (free items; w line width, h text height)
Top Overlay:
  text "BOOT" at 33.925,38.211 h1
  text "RESET" at 7.75,37.686 h1
  text "Front Panel OUT" at 36.924,36.234 h1
  text "Front Panel IN" at 3.372,36.175 h1
  text "Front USB IN" at 0.985,21.65 h1
  text "Front USB OUT" at 37.267,21.647 h1
Bottom Overlay:
  lines w0.254: 10.575,35.925 10.575,36.65 ; 21.312,3.512 22.45,2.375 30.6,2.375 ; 21.362,6.312 22.125,5.55 30.575,5.55 ; 21.4,9.65 22.2,8.85 30.65,8.85
  text "GND" at 11.325,41.66 h1
  text "RX" at 11.143,40.727 h1
  text "TX" at 11.118,39.793 h1
  text "IO0" at 11.219,38.837 h1
  text "RST#" at 11.662,37.882 h1
  text "+3.3V" at 11.714,36.934 h1
  text "NC" at 41.158,34.483 h1
  text "NC" at 12.683,34.383 h1
  text "PWR_LED +" at 35.674,31.871 h1
  text "PWR_LED +" at 3.599,31.862 h0.9
  text "RST_SW+" at 43.537,31.846 h1
  text "RST_SW+" at 15.062,31.746 h1
  text "RST_SW-" at 43.374,29.396 h1
  text "PWR_LED -" at 3.599,29.337 h0.9
  text "PWR_LED -" at 35.674,29.346 h1
  text "RST_SW-" at 14.899,29.296 h1
  text "HDD_LED-" at 43.736,26.921 h1
  text "PWR_SW +" at 3.599,26.812 h0.9
  text "HDD_LED-" at 15.261,26.821 h1
  text "PWR_SW +" at 35.724,26.821 h1
  text "PWR_SW -" at 35.624,24.221 h1
  text "PWR_SW -" at 3.599,24.212 h0.9
  text "HDD_LED+" at 43.899,24.146 h1
  text "HDD_LED+" at 15.424,24.046 h1
  text "NC" at 35.677,19.326 h1
  text "NC" at 3.502,19.301 h1
  text "GND" at 42.068,16.948 h1
  text "GND" at 9.893,16.923 h1
  text "GND" at 35.677,16.871 h1
  text "GND" at 3.502,16.846 h1
  text "USB_1_P" at 43.475,14.414 h1
  text "USB_1_P" at 11.3,14.389 h1
  text "USB_2_P" at 35.677,14.337 h1
  text "USB_2_P" at 3.502,14.312 h1
  text "USB_1_N" at 43.643,11.889 h1
  text "USB_1_N" at 11.468,11.864 h1
  text "USB_2_N" at 35.677,11.793 h1
  text "USB_2_N" at 3.502,11.768 h1
  text "+5_VSB" at 43.031,9.325 h1
  text "+5_VSB" at 10.856,9.3 h1
  text "+5_VSB" at 35.677,9.248 h1
  text "+5_VSB" at 3.502,9.223 h1
  text "GND" at 22.335,9.108 h1 r270
  text "GPIO16/ONEWIRE" at 24.855,9.108 h1 r270
  text "+3.3V" at 27.134,9.108 h1 r270
  text "RELAY_EXT_GND" at 29.963,9.108 h1 r270
  text "GND" at 22.285,5.822 h1 r270
  text "+3.3V" at 24.805,5.822 h1 r270
  text "SDA" at 27.326,5.822 h1 r270
  text "SCL" at 29.855,5.822 h1 r270
  text "GND" at 22.26,3.528 h1 r270
  text "SCL" at 27.301,3.39 h1 r270
  text "SDA" at 29.83,3.258 h1 r270
  text "+3.3V" at 24.78,2.751 h1 r270
Mechanical 15:
  the board outline again, w0.2

## Text inside footprints (layer, text, board x,y; h text height)
D1L: Mechanical 13 "+" at 11.642,15.483 h0.5
IC1E: Mechanical 13 "CUTOUT POLYGON" at 14.186,42.192 h0.25; Mechanical 13 "ANTENNA AREA" at 14.386,42.792 h0.25
LED1K: Top Overlay "1" at 29.155,16.825 h0.8